# Altium PCB Master.PcbDoc (part 2 of 2)
Units mm, origin at the board's own origin, x right, y up, seen from the top; angles counter-clockwise.
Board outline 120 x 100 mm, 2 copper layers (Top Layer, Bottom Layer); 129 components, 81 nets, 454 pads, 135 vias.
Unrouted connection lines stored in the file: 6.
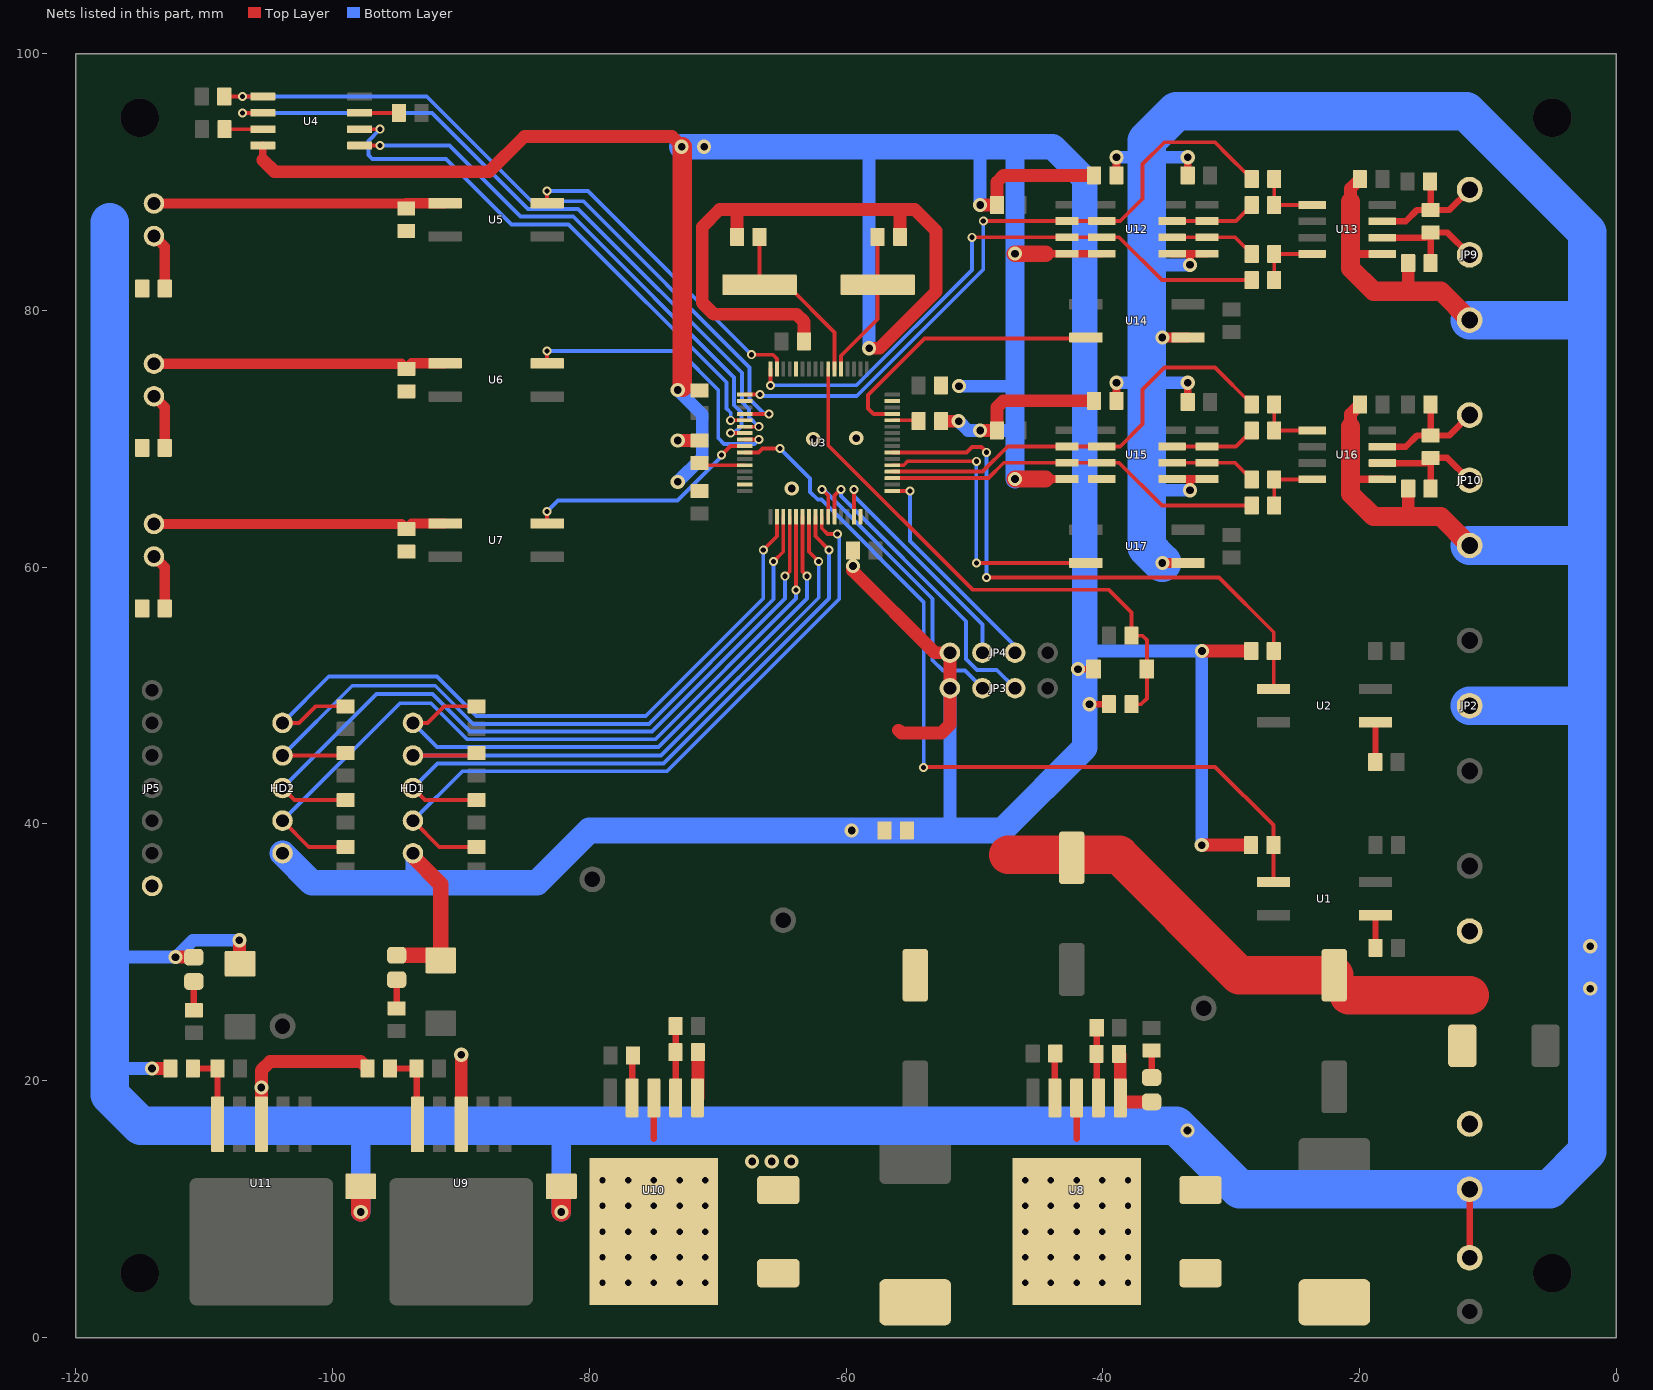
[diagram p2: the nets of this part, all layers, seen from the top]

## Via types
v1: diameter 1.1, hole 0.6, Top Layer to Bottom Layer, 82 vias
v2: diameter 0.7, hole 0.4, Top Layer to Bottom Layer, tented both sides, 26 vias
v3: diameter 0.7, hole 0.4, Top Layer to Bottom Layer, 14 vias
v4: diameter 1.1, hole 0.6, Top Layer to Bottom Layer, tented both sides, 13 vias

## Nets (pads, with @x,y where several pads share a name; then routed paths per layer and width w, separated by ;. In a path a pad name is that pad's centre, name@x,y a point inside that pad or via, vN(x,y) a via of type N, cw(c..) or ccw(c..) an arc to the next point about the centre after c; other vN are vias at no path point) (continued)
GND_MCU: C1.1 C2.1 C3.1 C4.1 C5.1 C6.1 C7.1 C8.2 C14.2 C18.2 C21.2 D5.2 HD1.5 HD2.5 JP3.4 JP4.1 R7.1 R14.1 R16.2 R17.1 R27.1 R47.2 R56.2 SW1.2 U3.12 U3.18 U3.31 U3.47 U3.63 U4.4 U12.4 U15.4 | length 434.7
  Top Layer w0.3: U3.18@-68.324,72.941 U3.18@-67.884,72.941
  Top Layer w0.5: v1(-41.937,52.063) SW1.2@-40.717,52.063 ; v1@-41.25,49.55 v1(-41.03,49.33) C6.1@-39.517,49.33
  Top Layer w0.6: -105.425,91.725 U4.4@-105.425,92.845 ; -44.45,66.866 U15.4@-42.788,66.866 ; -44.45,84.424 U12.4@-42.788,84.424 U12.4@-40.07,84.424
  Top Layer w1: -105.425,91.725 -104.5,90.8 -87.8,90.8 -85.05,93.55 -73.55,93.55 v1@-72.75,92.75 ; v4(-73.1,69.865) R16.2@-71.405,69.865 ; C8.2@-68.484,85.725 -68.484,87.784 -68.55,87.85 ; C2.1@-63.26,77.597 -63.26,79.11 -63.85,79.7 -70.3,79.7 -71.2,80.6 -71.2,86.5 -69.85,87.85 -68.55,87.85 ; v4(-59.45,60.1) -59.5,60.05 -59.5,59.75 -53.09,53.34 JP4.1@-51.912,53.34 JP3.4@-51.912,50.578 ; v4(-58.2,77.05) -57.4,77.05 -53,81.45 -53,86.2 -54.65,87.85 -55.95,87.85 ; -55.9,47.3 -55.7,47.1 -52.55,47.1 -51.912,47.738 JP3.4@-51.912,50.578 ; C7.1@-55.784,85.725 -55.784,87.684 -55.95,87.85 ; R17.1@-52.592,71.374 v4(-51.224,71.374) ; v1(-49.555,70.651) C21.2@-48.246,70.651 -48.246,72.454 -47.738,72.962 R56.2@-40.676,72.962 ; v1(-49.555,88.209) C18.2@-48.246,88.209 -48.246,90.012 -47.738,90.52 R47.2@-40.676,90.52 ; v1(-32.296,38.354) R7.1@-28.458,38.354 ; v1(-32.272,53.467) R14.1@-28.434,53.467 ; -68.55,87.85 -55.95,87.85
  Top Layer w1.2: D5.2@-94.996,29.779 -91.887,29.779 C14.2@-91.567,30.099 ; HD1.5@-93.726,37.719 -93.726,37.465 -91.567,35.306 C14.2@-91.567,30.099 ; C14.2@-91.567,29.374 C14.2@-91.567,30.099
  Top Layer w1.3: v1(-46.84,66.866) -44.45,66.866 ; v1(-46.84,84.424) -44.45,84.424
  Top Layer w1.5: v4@-72.75,74 v1@-72.75,92.75
  Bottom Layer w1: v4(-73.1,66.65) -71.2,68.55 -71.2,70 ; v4(-73.1,69.865) -71.335,69.865 -71.2,70 ; v4(-73.1,73.8) -71.2,71.9 -71.2,70 ; v4(-58.2,77.05) -58.2,92.4 -57.85,92.75 ; -52,39.497 -51.912,39.585 JP3.4@-51.912,50.578 ; v4(-51.224,71.374) -50.501,70.651 v1(-49.555,70.651) -47.189,70.651 -46.84,71 ; v4(-51.2,74.1) -47.24,74.1 -46.84,74.5 ; -49.7,92.75 -49.555,92.605 v1(-49.555,88.209) ; -41.4,53.45 -41.383,53.467 v1(-32.272,53.467) -32.296,53.443 v1(-32.296,38.354)
  Bottom Layer w1.2: HD1.5@-93.726,37.719 -93.726,35.56 -93.599,35.433
  Bottom Layer w1.5: -46.85,92.75 -46.84,92.74 v1(-46.84,84.424) -46.84,74.5 -46.84,71 v1(-46.84,66.866)
  Bottom Layer w2: HD2.5@-103.886,37.719 -101.6,35.433 -93.599,35.433 -84.067,35.433 -80.003,39.497 -52,39.497 -47.853,39.497 -41.4,45.95 -41.4,53.45 -41.4,90.25 -43.9,92.75 -46.85,92.75 -49.7,92.75 -57.85,92.75 v1(-72.8,92.75)
  other v1: -59.563,39.497 -71.05,92.75
  other v4: -64.225,66.125 -62.55,70 -59.2,70.05
GND_P: C10.2 C11.2 C13.2 C15.2 C16.2 C17.2 C19.2 C20.2 C22.2 C23.2 D2.1 D3.2 D4.1 D6.2 HD3.2 JP1.2 JP2.2 JP5.7 JP9.3 JP10.3 R21.1 R22.1 R23.1 R24.1 R25.1 R26.1 R27.2 R30.1 R34.1 R35.1 R38.1 R45.1 R47.1 R54.1 R56.1 TP3.1 U8.1 U9.3 U10.1 U11.3 U12.5 U13.5 U14.3 U15.5 U16.5 U17.3 | length 553.3
  Top Layer w0.5: TP3.1@-11.43,6.223 HD3.2@-11.43,11.557
  Top Layer w0.6: R56.1@-38.926,72.962 v1(-38.926,74.371) ; R47.1@-38.926,90.52 v1(-38.926,91.929) ; U15.5@-34.605,66.866 -33.2,66.866 ; U12.5@-34.605,84.424 -33.2,84.424 ; C22.2@-33.387,72.962 v1(-33.387,74.371) ; C19.2@-33.387,90.52 v1(-33.387,91.929) ; v1(-33.2,65.992) -33.2,66.866 ; v1(-33.2,83.55) -33.2,84.424 ; U15.5@-31.888,66.866 -33.2,66.866 ; U12.5@-31.888,84.424 -33.2,84.424 ; -20.701,66.866 -20.676,66.841 U16.5@-18.222,66.841 ; -20.701,84.424 -20.676,84.399 U13.5@-18.222,84.399
  Top Layer w0.8: v1(-35.363,60.332) U17.3@-33.363,60.332 ; v1(-35.363,77.89) U14.3@-33.363,77.89
  Top Layer w1: v1(-114.045,20.955) R38.1@-112.621,20.955 ; v1(-112.22,29.633) D6.2@-110.796,29.633 ; v1(-107.25,30.95) -107.25,29.182 C16.2@-107.188,29.12 ; U11.3@-105.537,16.61 v1(-105.537,19.48) -105.537,20.813 -104.85,21.5 -97.799,21.5 R35.1@-97.254,20.955 ; U9.3@-89.97,16.61 v1(-89.97,22.03) ; U10.1@-71.53,18.67 R34.1@-71.53,22 ; R30.1@-38.735,22.098 -38.637,22 U8.1@-38.637,18.67 -38.321,18.354 D3.2@-36.195,18.354 ; -20.701,70.93 -20.701,71.943 C23.2@-19.972,72.671 ; -20.701,88.488 -20.701,89.501 C20.2@-19.972,90.229 ; -16.304,63.945 -16.213,64.036 R54.1@-16.213,66.121 ; -16.304,81.503 -16.213,81.594 R45.1@-16.213,83.679
  Top Layer w1.5: v1(-97.79,9.779) C17.2@-97.79,11.774 ; v1(-82.169,9.779) C15.2@-82.169,11.774 ; -20.701,70.93 -20.701,66.866 -20.701,65.723 -18.923,63.945 -16.304,63.945 -13.684,63.945 JP10.3@-11.43,61.691 ; -20.701,88.488 -20.701,84.424 -20.701,83.281 -18.923,81.503 -16.304,81.503 -13.684,81.503 JP9.3@-11.43,79.249
  Top Layer w3: -47.371,37.592 -38.735,37.592 -29.369,28.226 C11.2@-21.971,28.226 ; -20.828,26.67 -11.43,26.67
  Bottom Layer w1: -117.348,21.1 -117.203,20.955 v1(-114.045,20.955) ; -117.348,29.5 -117.215,29.633 v1(-112.22,29.633) -112.167,29.633 -110.85,30.95 v1(-107.25,30.95) ; -105.537,16.51 v1(-105.537,19.48) ; v1(-38.926,74.371) -36.619,74.371 ; v1(-38.926,91.929) -36.619,91.929 ; -36.619,89.111 -36.576,89.154 -36.466,89.264 ; -36.576,66.612 -35.956,65.992 v1(-33.2,65.992) ; -36.576,71.553 -35.713,71.553 -35.56,71.706 -36.4,71.706 -36.576,71.882 ; -36.576,84.328 -35.798,83.55 v1(-33.2,83.55) ; -36.466,74.371 v1(-33.387,74.371) ; -36.466,91.929 v1(-33.387,91.929)
  Bottom Layer w1.5: v1(-97.79,9.779) -97.79,16.002 -97.282,16.51 ; v1(-82.169,9.779) -82.169,16.51
  Bottom Layer w3: -117.348,86.868 -117.348,77.819 -117.348,65.341 -117.348,29.5 -117.348,21.1 -117.348,18.923 -114.935,16.51 -105.537,16.51 -97.282,16.51 -82.169,16.51 -34.29,16.51 -29.337,11.557 HD3.2@-11.43,11.557 -5.207,11.557 -2.254,14.51 -2.254,49.276 ; -36.576,71.553 -36.576,66.612 -36.576,61.545 v1(-35.363,60.332) ; -36.576,71.706 -36.576,71.882 -36.576,84.328 -36.576,89.154 -36.576,93.218 -34.29,95.504 -11.684,95.504 -2.254,86.074 -2.254,61.849 ; JP2.2@-11.43,49.213 -2.317,49.213 -2.254,49.276 ; JP10.3@-11.43,61.691 -2.412,61.691 -2.254,61.849 ; JP9.3@-11.43,79.249 -2.601,79.249 -2.3,79.55 ; -2.254,49.276 -2.254,61.849
  other v1: -67.31,13.716 -65.786,13.716 -64.262,13.716 -33.401,16.129 -2.032,27.178 -2.032,30.48
KP11: HD1.1 R3.1 U3.38 | length 48.3
  Top Layer w0.3: HD1.1@-93.726,47.879 -92.583,47.879 -91.297,49.165 R3.1@-88.773,49.165 ; U3.38@-63.384,63.941 -63.384,59.657 v2(-63.027,59.3)
  Bottom Layer w0.3: HD1.1@-93.726,47.879 -91.847,46 -74.601,46 -63.027,57.574 v2(-63.027,59.3)
KP12: HD1.2 R4.1 U3.39 | length 48.3
  Top Layer w0.3: HD1.2@-93.726,45.339 -88.949,45.339 R4.1@-88.773,45.515 ; U3.39@-62.884,63.941 -62.884,61.207 v2(-62.127,60.45)
  Bottom Layer w0.3: HD1.2@-93.726,45.339 -74.414,45.339 -62.127,57.626 v2(-62.127,60.45)
KP13: HD1.3 R5.1 U3.40 | length 50.7
  Top Layer w0.3: HD1.3@-93.726,42.799 -92.792,41.865 R5.1@-88.773,41.865 ; U3.40@-62.384,63.941 -62.384,62.407 v2(-61.327,61.35)
  Bottom Layer w0.3: HD1.3@-93.726,42.799 -91.821,44.704 -74.2,44.704 -61.327,57.577 v2(-61.327,61.35)
KP14: HD1.4 R6.1 U3.41 | length 53.6
  Top Layer w0.3: HD1.4@-93.726,40.259 -91.682,38.215 R6.1@-88.773,38.215 ; U3.41@-61.884,63.941 -61.884,63.034 -61.45,62.6 v2(-60.677,62.6)
  Bottom Layer w0.3: HD1.4@-93.726,40.259 -89.881,44.104 -73.951,44.104 -60.527,57.528 -60.527,62.45 v2(-60.677,62.6)
KP21: HD2.1 R8.1 U3.34 | length 56.3
  Top Layer w0.3: HD2.1@-103.886,47.879 -102.616,47.879 -101.33,49.165 R8.1@-98.97,49.165 ; v2(-66.441,61.35) -65.384,62.407 U3.34@-65.384,63.941
  Bottom Layer w0.3: HD2.1@-103.886,47.879 -100.284,51.481 -91.861,51.481 -88.78,48.4 -75.595,48.4 -66.441,57.554 v2(-66.441,61.35)
KP22: HD2.2 R9.1 U3.35 | length 57.5
  Top Layer w0.3: HD2.2@-103.886,45.339 -99.146,45.339 R9.1@-98.97,45.515 ; v2(-65.641,60.45) -64.884,61.207 U3.35@-64.884,63.941
  Bottom Layer w0.3: HD2.2@-103.886,45.339 -98.46,50.765 -91.994,50.765 -89.029,47.8 -75.347,47.8 -65.641,57.506 v2(-65.641,60.45)
KP23: HD2.3 R10.1 U3.36 | length 59.5
  Top Layer w0.3: HD2.3@-103.886,42.799 -102.952,41.865 R10.1@-98.97,41.865 ; v2(-64.741,59.3) -64.384,59.657 U3.36@-64.384,63.941
  Bottom Layer w0.3: HD2.3@-103.886,42.799 -96.555,50.13 -92.207,50.13 -89.277,47.2 -75.098,47.2 -64.741,57.557 v2(-64.741,59.3)
KP24: HD2.4 R11.1 U3.37 | length 61.6
  Top Layer w0.3: HD2.4@-103.886,40.259 -101.842,38.215 R11.1@-98.97,38.215 ; v2(-63.884,58.234) U3.37@-63.884,63.941
  Bottom Layer w0.3: HD2.4@-103.886,40.259 -94.742,49.403 -92.329,49.403 -89.526,46.6 -74.85,46.6 -63.884,57.566 v2(-63.884,58.234)
LED_L0: JP6.1 R22.2 U5.3 | length 23.1
  Top Layer w0.8: JP6.1@-113.9,88.329 R22.2@-94.25,88.329 ; R22.2@-94.25,87.941 R22.2@-94.25,88.329 ; U5.3@-91.224,88.354 -94.25,88.354 R22.2@-94.25,88.329
LED_LALL: JP7.1 R24.2 U6.3 | length 23
  Top Layer w0.8: JP7.1@-113.9,75.851 -94.643,75.851 R24.2@-94.24,75.448 -93.812,75.876 U6.3@-91.224,75.876
LED_LN: JP8.1 R26.2 U7.3 | length 23
  Top Layer w0.8: JP8.1@-113.9,63.373 -94.643,63.373 R26.2@-94.24,62.97 -93.812,63.398 U7.3@-91.224,63.398
MCU_485_ctrl2: U3.61 U14.2 | length 21.9
  Top Layer w0.3: U3.61@-56.384,71.941 -57.844,71.941 -58.274,72.371 -58.274,73.425 -53.879,77.82 -41.383,77.82 U14.2@-41.313,77.89
MCU_485_ctrl4: U3.53 U17.2 | length 23.2
  Top Layer w0.3: U3.53@-56.384,67.941 -55.506,67.941 -55.197,68.25 v3(-49.85,68.25) ; v3(-49.85,60.332) U17.2@-41.313,60.332 U17.2@-41.383,60.262
  Bottom Layer w0.3: v3(-49.85,60.332) v3(-49.85,68.25)
MCU_485_RX2: R39.1 U3.17 U12.2 | length 55.9
  Top Layer w0.3: U3.17@-67.884,73.441 v2(-66.71,73.441) ; v3(-49.307,86.964) U12.2@-42.788,86.964 U12.2@-40.07,86.964 -38.636,86.964 -36.9,88.7 -36.9,91.4 -35.2,93.1 -31.25,93.1 -28.401,90.251 R39.1@-28.401,90.234 -30.667,92.5
  Bottom Layer w0.3: v2(-66.71,73.441) -66.608,73.339 -59.162,73.339 -49.307,83.194 v3(-49.307,86.964)
MCU_485_RX4: R48.1 U3.52 U15.2 | length 34.1
  Top Layer w0.3: U3.52@-56.384,67.441 -49.365,67.441 -47.4,69.406 U15.2@-42.788,69.406 -38.636,69.406 -36.9,71.142 -36.9,73.842 -35.2,75.542 -31.25,75.542 R48.1@-28.401,72.693
MCU_485_TX2: R40.1 U3.16 U12.3 | length 46.4
  Top Layer w0.3: v2(-65.884,74.139) U3.16@-65.884,75.441 ; v3(-50.196,85.694) U12.3@-42.788,85.694 -38.735,85.694 -35.401,82.36 R40.1@-28.401,82.36
  Bottom Layer w0.3: v2(-65.884,74.139) -65.848,74.175 -59.175,74.175 -50.196,83.154 v3(-50.196,85.694)
MCU_485_TX4: R49.1 U3.51 U15.3 | length 29.9
  Top Layer w0.3: U3.51@-56.384,66.941 -48.909,66.941 -47.714,68.136 U15.3@-42.788,68.136 -38.735,68.136 -35.401,64.802 R49.1@-28.401,64.802
MCU_BT_SEL: R7.2 U1.3 U3.26 | length 66.1
  Top Layer w0.3: U3.26@-67.884,68.941 -66.809,68.941 -66.5,69.25 v2(-65.15,69.25) ; v3@-53.95,44.45 -31.25,44.45 -26.708,39.908 R7.2@-26.708,38.354 U1.3@-26.708,35.49
  Bottom Layer w0.3: v2(-65.15,69.25) -62.8,66.9 -62.8,65.863 -62.199,65.262 -61.917,65.262 -53.95,57.295 v3(-53.95,44.4)
MCU_Encoder: R14.2 U2.3 U3.55 | length 46
  Top Layer w0.3: U3.55@-56.384,68.941 -54.5,68.941 -50.609,68.941 -50.2,69.35 -49.45,69.35 v3(-49.05,68.95) ; v3(-49.05,59.2) -30.95,59.2 -26.684,54.934 R14.2@-26.684,53.467 -26.684,50.532 U2.3@-26.708,50.508
  Bottom Layer w0.3: v3(-49.05,59.2) v3(-49.05,68.95)
MCU_LED_L0: U3.15 U5.2 | length 25
  Top Layer w0.3: U5.2@-83.274,88.354 v3(-83.274,89.305) ; v2(-67.35,76.55) -65.7,76.55 -65.384,76.234 U3.15@-65.384,75.441
  Bottom Layer w0.3: v3(-83.274,89.305) -80.105,89.305 v2(-67.35,76.55)
MCU_LED_LALL: U3.24 U6.2 | length 23.9
  Top Layer w0.3: U6.2@-83.274,75.876 v3(-83.274,76.827) ; U3.24@-67.884,69.941 v2(-66.791,69.941)
  Bottom Layer w0.3: v3(-83.274,76.827) -72.977,76.827 -69.95,73.8 -69.95,70.05 -69.5,69.6 -67.132,69.6 v2(-66.791,69.941)
MCU_LED_LN: U3.25 U7.2 | length 18.5
  Top Layer w0.3: U7.2@-83.274,63.398 v3(-83.274,64.349) ; v2(-69.7,68.75) -69.009,69.441 U3.25@-67.884,69.441
  Bottom Layer w0.3: v3(-83.274,64.349) -82.423,65.2 -73.136,65.2 -69.7,68.636 v2(-69.7,68.75)
NetC9_2: C9.2 U8.4 | length 3.5
  Top Layer w0.5: U8.4@-43.737,18.67 -43.737,22.083 C9.2@-43.702,22.118
NetC12_2: C12.2 U10.4 | length 3.3
  Top Layer w0.5: U10.4@-76.662,18.67 -76.662,21.904 C12.2@-76.595,21.971
NetD1_1: D1.1 HD3.1
NetD2_2: D2.2 L1.1 U8.3 | length 3.2
  Top Layer w0.5: -42.037,15.494 U8.3@-42.037,18.67
NetD3_1: D3.1 R28.1 | length 2.1
  Top Layer w0.5: D3.1@-36.195,20.254 R28.1@-36.195,22.366
NetD4_2: D4.2 L2.1 U10.3 | length 3.2
  Top Layer w0.5: -74.962,15.494 U10.3@-74.962,18.67
NetD5_1: D5.1 R33.1 | length 2.2
  Top Layer w0.5: R33.1@-94.996,25.64 D5.1@-94.996,27.879
NetD6_1: D6.1 R37.1 | length 2.2
  Top Layer w0.5: R37.1@-110.796,25.494 D6.1@-110.796,27.733
NetJP6_2: JP6.2 R21.2 | length 4.4
  Top Layer w0.8: JP6.2@-113.9,85.789 -113.063,84.952 R21.2@-113.063,81.7
NetJP7_2: JP7.2 R23.2 | length 4.4
  Top Layer w0.8: JP7.2@-113.9,73.311 -113.063,72.474 R23.2@-113.063,69.222
NetJP8_2: JP8.2 R25.2 | length 4.4
  Top Layer w0.8: JP8.2@-113.9,60.833 -113.063,59.996 R25.2@-113.063,56.744
NetJP9_1: JP9.1 R41.1 R43.2 U13.7 | length 10.2
  Top Layer w0.5: U13.7@-18.222,86.939 -16.408,86.939 -15.528,87.819 R43.2@-14.463,87.819 ; R41.1@-14.478,90.224 -14.463,90.209 R43.2@-14.463,87.819 ; JP9.1@-11.43,89.409 -13.02,87.819 R43.2@-14.463,87.819
NetJP9_2: JP9.2 R43.1 R45.2 U13.6 | length 10.1
  Top Layer w0.5: U13.6@-18.222,85.669 -14.863,85.669 R43.1@-14.463,86.069 ; R45.2@-14.463,83.679 R43.1@-14.463,86.069 ; JP9.2@-11.43,84.329 -13.17,86.069 R43.1@-14.463,86.069
NetJP10_1: JP10.1 R50.1 R52.2 U16.7 | length 10.2
  Top Layer w0.5: U16.7@-18.222,69.381 -16.408,69.381 -15.528,70.261 R52.2@-14.463,70.261 ; R50.1@-14.478,72.666 -14.463,72.651 R52.2@-14.463,70.261 ; JP10.1@-11.43,71.851 -13.02,70.261 R52.2@-14.463,70.261
NetJP10_2: JP10.2 R52.1 R54.2 U16.6 | length 10.1
  Top Layer w0.5: U16.6@-18.222,68.111 -14.863,68.111 R52.1@-14.463,68.511 ; R54.2@-14.463,66.121 R52.1@-14.463,68.511 ; JP10.2@-11.43,66.771 -13.17,68.511 R52.1@-14.463,68.511
NetR2_1: R2.1 U1.1 | length 2.5
  Top Layer w0.5: R2.1@-18.758,30.353 U1.1@-18.758,32.9
NetR13_1: R13.1 U2.1 | length 3.1
  Top Layer w0.5: R13.1@-18.782,44.831 -18.758,44.855 U2.1@-18.758,47.918
NetR16_1: R16.1 U3.28 | length 3.6
  Top Layer w0.3: R16.1@-71.405,68.115 -71.231,67.941 U3.28@-67.884,67.941
NetR17_2: R17.2 U3.60 | length 2.1
  Top Layer w0.3: U3.60@-56.384,71.441 -54.409,71.441 R17.2@-54.342,71.374
NetR19_2: R19.2 U4.7 | length 3.1
  Top Layer w0.3: U4.7@-97.875,95.385 R19.2@-94.825,95.385
NetR20_2: R20.2 U4.3 | length 3
  Top Layer w0.3: R20.2@-108.41,94.115 U4.3@-105.425,94.115
NetR29_1: R29.1 R30.2 U8.2 | length 5.5
  Top Layer w0.5: R29.1@-40.47,24.13 -40.485,24.115 R30.2@-40.485,22.098 -40.485,18.818 U8.2@-40.337,18.67
NetR31_1: R31.1 R34.2 U10.2 | length 5.6
  Top Layer w0.5: R31.1@-73.265,24.257 -73.265,22.239 R34.2@-73.279,22.225 -73.262,22.208 U10.2@-73.262,18.67
NetR32_1: R32.1 R35.2 U9.5 | length 6.4
  Top Layer w0.5: R35.2@-95.504,20.955 R32.1@-93.444,20.955 -93.444,16.684 U9.5@-93.369,16.61
NetR36_1: R36.1 R38.2 U11.5 | length 6.3
  Top Layer w0.5: R38.2@-110.871,20.955 R36.1@-108.952,20.955 -108.952,16.625 U11.5@-108.937,16.61
NetR39_2: R39.2 R42.2 U13.1 | length 5
  Top Layer w0.3: R39.2@-26.651,90.234 R42.2@-26.651,88.202 -23.694,88.202 U13.1@-23.687,88.209
NetR40_2: R40.2 R44.2 U13.4 | length 5
  Top Layer w0.3: R40.2@-26.651,82.36 R44.2@-26.651,84.392 -23.694,84.392 U13.4@-23.687,84.385
NetR42_1: R42.1 U12.7 | length 6.7
  Top Layer w0.3: U12.7@-34.605,86.964 U12.7@-31.888,86.964 -29.639,86.964 R42.1@-28.401,88.202
NetR44_1: R44.1 U12.6 | length 6.7
  Top Layer w0.3: U12.6@-34.518,85.694 U12.6@-31.8,85.694 ; U12.6@-31.888,85.694 -29.703,85.694 R44.1@-28.401,84.392
NetR48_2: R48.2 R51.2 U16.1 | length 5
  Top Layer w0.3: R48.2@-26.651,72.676 R51.2@-26.651,70.644 -23.694,70.644 U16.1@-23.687,70.651
NetR49_2: R49.2 R53.2 U16.4 | length 5
  Top Layer w0.3: R49.2@-26.651,64.802 R53.2@-26.651,66.834 -23.694,66.834 U16.4@-23.687,66.827
NetR51_1: R51.1 U15.7 | length 6.7
  Top Layer w0.3: U15.7@-34.605,69.406 U15.7@-31.888,69.406 -29.639,69.406 R51.1@-28.401,70.644
NetR53_1: R53.1 U15.6 | length 6.7
  Top Layer w0.3: U15.6@-34.517,68.136 U15.6@-31.8,68.136 ; U15.6@-31.888,68.136 -29.703,68.136 R53.1@-28.401,66.834
OSC_IN: C7.2 U3.5 Y1.2 | length 11.5
  Top Layer w0.3: U3.5@-60.384,75.441 -60.384,76.466 -57.534,79.316 Y1.2@-57.534,82 C7.2@-57.534,85.725
OSC_OUT: C8.1 U3.6 Y1.1 | length 14
  Top Layer w0.3: C8.1@-66.734,85.725 Y1.1@-66.734,82 -64.6,82 -60.884,78.284 U3.6@-60.884,75.441
RESET: C6.2 R15.1 SW1.1 U3.7 | length 44
  Top Layer w0.3: U3.7@-61.384,75.441 -61.384,69.484 -50.15,58.25 -39.55,58.25 -37.775,56.475 R15.1@-37.775,54.664 -36.914,54.664 -36.567,54.317 SW1.1@-36.567,52.063 -36.567,49.783 -37.02,49.33 C6.2@-37.767,49.33
SPI_CS: R18.1 U3.20 U4.1 | length 57.6
  Top Layer w0.3: R18.1@-108.425,96.655 v3(-107.015,96.655) U4.1@-105.425,96.655 ; U3.20@-67.884,71.941 v2(-66,71.941)
  Bottom Layer w0.3: v3(-107.015,96.655) -92.656,96.655 -84.506,88.505 -80.455,88.505 -67.51,75.56 -67.51,73.11 -66.341,71.941 v2(-66,71.941)
SPI_MISO: U3.22 U4.2 | length 54.7
  Top Layer w0.3: v3(-107.015,95.385) U4.2@-105.425,95.385 ; U3.22@-67.884,70.941 v2(-66.791,70.941)
  Bottom Layer w0.3: v3(-107.015,95.385) -92.235,95.385 -84.755,87.905 -80.874,87.905 -68.11,75.141 -68.11,72.861 -67.55,72.301 -67.55,71.7 v2(-66.791,70.941)
SPI_MOSI: U3.23 U4.5 | length 42.8
  Top Layer w0.3: U4.5@-97.875,92.845 v3(-96.285,92.845) ; v2(-68.977,70.441) U3.23@-67.884,70.441
  Bottom Layer w0.3: v3(-96.285,92.845) -90.895,92.845 -85.355,87.305 -81.245,87.305 -68.71,74.77 -68.71,72.613 -68.15,72.053 -68.15,71 -68.709,70.441 v2(-68.977,70.441)
SPI_SCK: U3.21 U4.6 | length 43.4
  Top Layer w0.3: U4.6@-97.875,94.115 v3(-96.285,94.115) ; v2(-68.977,71.441) U3.21@-67.884,71.441
  Bottom Layer w0.3: v3(-96.285,94.115) -97.2,93.2 -97.2,92.1 -96.9,91.8 -91.15,91.8 -86.055,86.705 -81.605,86.705 -69.31,74.41 -69.31,72.364 -68.977,72.031 v2(-68.977,71.441)
SWCLK: JP4.3 U3.49 | length 17.4
  Top Layer w0.3: U3.49@-56.384,65.941 v2(-55.009,65.941)
  Bottom Layer w0.3: v2(-55.009,65.941) -55.009,62.027 -46.832,53.85 JP4.3@-46.832,53.34
SWDIO: JP4.2 U3.46 | length 19
  Top Layer w0.3: U3.46@-59.384,63.941 v2(-59.384,66.062)
  Bottom Layer w0.3: v2(-59.384,66.062) -59.384,65.554 -49.372,55.542 JP4.2@-49.372,53.34
UART1_RX: JP3.2 U3.43 | length 24.2
  Top Layer w0.3: U3.43@-60.884,64.108 -60.884,65.578 v2(-60.4,66.062)
  Bottom Layer w0.3: v2(-60.4,66.062) -60.4,65.547 -50.642,55.789 -50.642,52.842 -49.799,52 -48.254,52 JP3.2@-46.832,50.578
UART1_TX: JP3.3 U3.42 | length 24.2
  Top Layer w0.3: v2(-61.868,66.062) -61.384,65.578 U3.42@-61.384,63.941 U3.42@-61.384,63.75
  Bottom Layer w0.3: v2(-61.868,66.062) -61.763,66.062 -53.25,57.549 -53.25,52.75 -52.45,51.95 -50.744,51.95 JP3.3@-49.372,50.578
pads on no net: hole1.1 hole2.1 hole3.1 hole4.1 U3.1 U3.2 U3.3 U3.4 U3.8 U3.9 U3.10 U3.11 U3.14 U3.44 U3.45 U3.50 U3.54 U3.56 U3.57 U3.58 U3.59 U3.62 U9.TAB U11.TAB

## Polygon pours and split planes (outlines as drawn)
GND_P on Top Layer "Top Layer-GND_P" (solid, remove dead copper, pour order 4): -120.2,100.1 -120.2,0 0,0 0,100.4 -0.2,100.4
GND_MCU on Top Layer "Top Layer-GND_MCU" (solid, remove dead copper, pour order 0): -76.3,93.95 -40.5,93.95 -39.55,93 -39.55,60.45 -35.2,56.1 -27.55,56.1 -24.85,53.4 -24.85,32.35 -27.1,30.1 -86.4,30.1 -89.9,26.6 -97.276,26.6 -107.55,36.874 -107.55,47.55 -104.6,50.5 -82.8,50.5 -77.8,55.5 -77.8,92.572
GND_P on Bottom Layer "Bottom Layer-GND_P" (solid, remove dead copper, pour order 6): -120.4,100.15 -120.4,-0.15 -0.25,-0.15 -0.25,100.15
GND_MCU on Bottom Layer "Bottom Layer-GND_MCU" (solid, remove dead copper, pour order 2): -76.3,93.95 -40.5,93.95 -39.55,93 -39.55,60.45 -35.2,56.1 -27.55,56.1 -24.85,53.4 -24.85,32.35 -27.1,30.1 -86.4,30.1 -89.9,26.6 -97.276,26.6 -107.55,36.874 -107.55,47.55 -104.6,50.5 -82.8,50.5 -77.8,55.5 -77.8,92.572

## Keep-outs
Keep-Out Layer:
  the board outline again, w1

## Other copper
Top Layer:
  region net GND_MCU: -73.8,94.05 -73.8,91.75 -70.1,91.75 -70.1,94.05
  region net 3V3_MCU: -81.3,92.15 -81.3,89.3 -78.1,89.3 -78.1,92.15
  region net GND_MCU: -106.35,93.05 -106.35,90.3 -104.45,90.3 -104.45,93.05
  region net 3V3_MCU: -98.85,96.55 -98.85,99.1 -96.9,99.1 -96.9,96.55
  region net GND_MCU: -58.75,64.531 -58.75,62.1 -58.9,61.95 -58.9,59.55 -60,59.55 -60,62.2 -59.1,63.1 -59.1,64.55
  region net 3V3_MCU: -58.534,64.5 -58.534,63.334 -58.25,63.05 -58.25,60.65 -57.15,60.65 -57.15,64.4 -57.35,64.6 -58.45,64.6
  region net 3V3_MCU: -30.15,48.55 -30.15,45.45 -28.45,45.45 -28.45,48.55
  region net 3V3_MCU: -68.519,66.081 -69.85,64.75 -73.45,64.75 -73.55,64.65 -73.55,63.65 -73.4,63.5 -69.584,63.5 -67.284,65.8 -67.3,65.816 -67.3,66.081
  region net GND_MCU: -67.5,66.6 -72.1,66.6 -72.7,67.2 -73.25,67.2 -73.6,66.85 -73.6,65.4 -70.05,65.4 -69.169,66.281 -67.5,66.281
  region net 3V3_MCU: -67.3,72.301 -69.349,72.301 -70.618,71.032 -73.65,71.032 -73.65,72.601 -69.381,72.601 -67.35,72.601 -67.331,72.582 -67.284,72.582
  region net GND_MCU: -67.3,73.081 -68.781,73.081 -70.05,74.35 -73.65,74.35 -73.65,73.25 -70.05,73.25 -69.581,72.781 -67.35,72.781 -67.331,72.8 -67.284,72.8
  region net GND_MCU: -64.034,74.9 -64.034,76.688 -63.75,76.972 -63.75,78.25 -63.65,78.35 -62.85,78.35 -62.75,78.25 -62.75,77.15 -63.734,76.166 -63.734,74.9
  region net 3V3_MCU: -64.534,74.85 -64.534,76.084 -65.5,77.05 -65.5,78.25 -65.45,78.3 -64.5,78.3 -64.45,78.25 -64.45,76.85 -64.25,76.65 -64.25,74.841
  region net 3V3_MCU: -56.95,73.571 -55.621,74.9 -53.8,74.9 -53.8,73.35 -53.85,73.3 -56.95,73.3
  region net GND_MCU: -56.95,73.1 -53.5,73.1 -53.1,73.5 -53.1,74.8 -53.05,74.8 -53,74.85 -50.65,74.85 -50.65,72.8 -56.95,72.8
  region net 12V: -7.112,24.384 -4.572,24.384 -4.318,24.13 -4.318,15.621 -4.572,15.367 -7.112,15.367 -7.366,15.621 -7.366,24.13
  region net NetD1_1: -13.208,24.384 -11.049,24.384 -10.922,24.257 -10.922,21.209 -9.525,19.812 -9.525,15.621 -9.779,15.367 -12.827,15.367 -13.208,15.748
  region net GND_P: -66.167,18.923 -63.627,16.383 -63.627,10.414 -66.929,10.414 -66.929,12.573 -72.009,17.653 -72.009,18.923
  region net 12V: -79.629,17.145 -80.137,17.653 -80.137,22.098 -79.375,22.86 -77.851,22.86 -77.724,22.733 -77.724,17.272 -77.851,17.145
  region net NetD4_2: -75.851,16.51 -74.073,16.51 -74.073,11.43 -75.851,11.43
  region net NetD4_2: -51.816,4.445 -52.07,4.699 -57.563,4.699 -59.722,6.858 -80.042,6.858 -80.042,0.889 -52.07,0.889 -51.816,1.143
  region net NetD2_2: -19.177,4.318 -19.558,4.699 -24.638,4.699 -26.797,6.858 -47.117,6.858 -47.117,0.889 -19.431,0.889 -19.177,1.143
  region net NetD2_2: -42.926,16.51 -41.148,16.51 -41.148,11.43 -42.926,11.43
  region net GND_P: -32.893,18.923 -30.734,16.764 -30.734,10.414 -34.036,10.414 -34.036,12.573 -39.116,17.653 -39.116,18.923
  region net GND_P: -20.955,30.226 -20.066,29.337 -20.066,25.273 -20.193,25.146 -22.606,25.146 -22.971,25.511 -22.971,30.226
  region net GND_MCU: -56.515,40.259 -56.515,36.703 -61.595,36.703 -61.595,40.259
  region net GND_P: -55.88,40.132 -55.753,40.259 -41.529,40.259 -41.275,40.005 -41.275,35.306 -41.402,35.179 -47.752,35.179 -49.911,33.02 -49.911,26.035 -55.499,26.035 -55.88,26.416
  region net 12V: -41.529,30.734 -47.879,30.734 -48.133,30.48 -48.133,17.399 -47.879,17.145 -45.037,17.145 -44.958,17.224 -44.958,23.114 -41.402,26.67 -41.402,30.607
  region net GND_P: -12.573,28.162 -1.016,28.162 -0.762,27.908 -0.762,25.147 -12.7,25.146 -12.7,28.035
  region net GND_P: -12.573,32.766 -1.016,32.766 -0.762,32.512 -0.762,29.846 -0.89,29.718 -12.573,29.718 -12.7,29.845 -12.7,32.639
  region net 5V: -24.511,21.336 -24.13,21.717 -19.812,21.717 -19.558,21.463 -19.558,17.526 -19.812,17.272 -24.384,17.272 -24.511,17.399
Bottom Layer:
  region net GND_P: -118.618,35.941 -113.411,35.941 -113.03,35.56 -113.03,32.893 -113.284,32.639 -118.618,32.639
  region net 5V: -88.8,25.8 -88.8,19.15 -88.6,18.95 -86.75,18.95 -86.3,18.5 -81.95,18.5 -81.65,18.8 -81.65,19.9 -81.9,20.15 -85.55,20.15 -86.3,20.9 -86.3,25.85
  region net 5V: -104.35,18.55 -104.35,20.95 -101.9,23.4 -101.9,25.8 -100.5,27.2 -97.1,27.2 -96.8,26.9 -96.8,18.55
  region net GND_P: -105.05,20.1 -107.2,20.1 -107.2,16.85 -105.05,16.85
  region net GND_P: -89.45,22.6 -91.65,22.6 -91.65,16.25 -89.45,16.25
  region net GND_P: -67.945,16.51 -67.945,12.954 -63.5,12.954 -63.5,16.51
  region net 5V: -24.511,18.923 -19.685,18.923 -19.558,19.05 -19.558,21.463 -19.812,21.717 -24.13,21.717 -24.511,21.336

## Silkscreen, mask and mechanical layers (free items; w line width, h text height)
Top Overlay:
  lines w0.3: -43.4,25.1 -41.7,22.4 -42.2,22.5 ; -29.216,73.636 -29.216,77.15 -25.7,77.15 -25.7,73.55 -25.85,73.4 ; -29.216,91.194 -29.216,94.9 -25.7,94.9 -25.7,91.194 ; -26.9,85.85 -25.35,85.85 ; -26.7,68.2 -25.35,68.2 -25.35,60.85 -23.45,60.85 ; -25.35,64.45 -23.6,64.45 ; -25.35,81.8 -23.8,81.8 ; -25.35,85.8 -25.35,78.3 -23.8,78.3
  lines w0.5: -109.35,59.494 -107.9,59.494 ; -109.35,64.944 -107.9,64.944 ; -109.35,71.972 -107.9,71.972 ; -109.35,77.422 -107.9,77.422 ; -109.35,84.45 -107.9,84.45 ; -109.35,89.9 -107.9,89.9 ; -108.625,64.219 -108.625,65.669 ; -108.625,76.697 -108.625,78.147 ; -108.625,89.175 -108.625,90.625
  text "LED_L0" at -110.05,86.15 h2
  text "RS485" at -16.5,76.6 h2 r90
  text "CH-1" at -14.863,76.6 h2 r90
  text "0V/A/B" at -13.276,76.612 h2 r90
  text "LED_LALL" at -110.05,73.6 h2
  text "LED_LN" at -110.05,61.15 h2
  text "0V/A/B" at -13.276,59.054 h2 r90
  text "RS485" at -16.5,59.042 h2 r90
  text "CH-2" at -14.863,59.042 h2 r90
  text "GND" at -52.8,55.1 h1 r90
  text "DI" at -49.3,55.1 h1 r90
  text "CLK" at -45.8,55.1 h1 r90
  text "3V3" at -42.3,55.1 h1 r90
  text "DIN" at -119.3,51.9 h1
  text "ENCO" at -13.3,51.75 h2 r90
  text "RST" at -35.65,51 h2
  text "KPAD2" at -106.45,50.65 h2
  text "KPAD1" at -96.3,50.65 h2
  text "0V" at -13.3,47.82 h2 r90
  text "SCK" at -119.383,47.4 h1
  text "1" at -108.55,47.279 h1.2
  text "GND" at -52.801,46.018 h1 r90
  text "TX1" at -49.301,46.018 h1 r90
  text "RX1" at -45.801,46.018 h1 r90
  text "3V3" at -42.301,46.018 h1 r90
  text "RCK" at -119.383,44.839 h1
  text "2" at -108.75,44.739 h1.2
  text "12V" at -13.3,42.49 h2 r90
  text "GAT" at -119.383,42.299 h1
  text "3" at -108.75,42.199 h1.2
  text "5V" at -118.883,39.759 h1
  text "4" at -108.75,39.659 h1.2
  text "3V" at -118.883,37.219 h1
  text "0V" at -109.35,37.119 h1.2
  text "0V" at -118.883,34.679 h1
  text "5V_LED7" at -68.95,34.25 h2
  text "BT_SEL" at -13.088,32.5 h2 r90
  text "3V3_MCU" at -83.7,32.096 h2
  text "0V" at -13.2,29.05 h2 r90
  text "3V3" at -102.15,23.15 h2
  text "5V" at -33.15,22.5 h2
  text "12VDC" at -18.75,15.759 h2
  text "0V" at -15.25,10.645 h2
  text "0V" at -9.95,6.65 h2
  text "12V" at -9.6,0.9 h2
Top Solder:
  region: -57.75,40.5 -57.75,36.8 -54.25,36.8 -54.25,40.5
Mechanical 2:
  text ".Designator" at -77.37,21.871 h0.4
  text ".Designator" at -77.37,21.871 h0.4
Mechanical 10:
  lines w0.3: -11.43,71.851 -11.43,79.249

## Dimensions
-120,0 to 0,0 on Mechanical 10
-120,0 to -120,100 on Mechanical 10

## Text inside footprints (layer, text, board x,y; h text height)
D1: Mechanical 2 "K" at -5.063,22.133 h1; Mechanical 2 "A" at -13.563,22.133 h1
D2: Mechanical 2 "K" at -32.985,4.555 h1 r270; Mechanical 2 "A" at -32.985,13.055 h1 r270
D4: Mechanical 2 "A" at -65.878,13.055 h1 r270; Mechanical 2 "K" at -65.878,4.555 h1 r270
JP2: Mechanical 2 "1" at -11.914,54.429 h1 r270; Mechanical 2 "3" at -11.914,44.45 h1 r270
JP3: Mechanical 2 "1" at -44.038,50.832 h1.2 r180; Mechanical 2 "4" at -51.658,50.832 h1.2 r180
JP4: Mechanical 2 "1" at -52.166,53.086 h1.2; Mechanical 2 "4" at -44.546,53.086 h1.2
JP6: Mechanical 2 "1" at -114.4,88.459 h1 r270; Mechanical 2 "2" at -114.4,86.059 h1 r270
JP7: Mechanical 2 "1" at -114.4,75.981 h1 r270; Mechanical 2 "2" at -114.4,73.581 h1 r270
JP8: Mechanical 2 "1" at -114.4,63.503 h1 r270; Mechanical 2 "2" at -114.4,61.103 h1 r270
JP9: Mechanical 2 "1" at -11.914,89.545 h1 r270; Mechanical 2 "3" at -11.914,79.566 h1 r270
JP10: Mechanical 2 "1" at -11.914,71.987 h1 r270; Mechanical 2 "3" at -11.914,62.008 h1 r270
TP1: Mechanical 2 "1" at -11.56,1.682 h0.8 r0.05
TP2: Mechanical 2 "1" at -32.261,25.304 h0.8 r0.05
TP3: Mechanical 2 "1" at -11.56,5.873 h0.8 r0.05
TP4: Mechanical 2 "1" at -79.886,35.337 h0.8 r0.05
TP5: Mechanical 2 "1" at -65.027,32.162 h0.8 r0.05
TP6: Mechanical 2 "1" at -103.536,24.127 h0.8 r90.05
U1: Mechanical 2 "K" at -19.733,35.889 h0.8 r180; Mechanical 2 "A" at -19.733,34.095 h0.8 r180; Mechanical 2 "E" at -25.133,35.895 h0.8 r180; Mechanical 2 "C" at -25.133,33.295 h0.8 r180
U2: Mechanical 2 "K" at -19.733,50.907 h0.8 r180; Mechanical 2 "A" at -19.733,49.113 h0.8 r180; Mechanical 2 "E" at -25.133,50.913 h0.8 r180; Mechanical 2 "C" at -25.133,48.313 h0.8 r180
U3: Mechanical 2 "1" at -58.434,74.401 h0.8 r180; Mechanical 2 "16" at -64.654,74.401 h0.8 r180; Mechanical 2 "17" at -66.714,73.111 h0.8 r270; Mechanical 2 "32" at -66.714,67.321 h0.8 r270; Mechanical 2 "33" at -64.304,65.761 h0.8 r180; Mechanical 2 "48" at -58.434,65.761 h0.8 r180; Mechanical 2 "49" at -58.274,67.231 h0.8 r270; Mechanical 2 "64" at -58.274,73.011 h0.8 r270
U4: Mechanical 2 "1" at -104.16,96.51 h0.4 r270; Mechanical 2 "4" at -104.16,92.93 h0.4 r270; Mechanical 2 "5" at -99.58,92.93 h0.4 r270; Mechanical 2 "8" at -99.58,96.79 h0.4 r270
U5: Mechanical 2 "K" at -84.249,88.753 h0.8 r180; Mechanical 2 "A" at -84.249,86.959 h0.8 r180; Mechanical 2 "E" at -89.649,88.759 h0.8 r180; Mechanical 2 "C" at -89.649,86.159 h0.8 r180
U6: Mechanical 2 "K" at -84.249,76.275 h0.8 r180; Mechanical 2 "A" at -84.249,74.481 h0.8 r180; Mechanical 2 "E" at -89.649,76.281 h0.8 r180; Mechanical 2 "C" at -89.649,73.681 h0.8 r180
U7: Mechanical 2 "K" at -84.249,63.797 h0.8 r180; Mechanical 2 "A" at -84.249,62.003 h0.8 r180; Mechanical 2 "E" at -89.649,63.803 h0.8 r180; Mechanical 2 "C" at -89.649,61.203 h0.8 r180
U8: Mechanical 2 "1" at -38.537,17.32 h0.8 r180; Mechanical 2 "2" at -40.087,17.32 h0.8 r180; Mechanical 2 "3" at -41.787,17.32 h0.8 r180; Mechanical 2 "6" at -41.787,4.87 h0.8 r180; Mechanical 2 "4" at -43.487,17.32 h0.8 r180; Mechanical 2 "5" at -45.137,17.32 h0.8 r180
U9: Mechanical 2 "GND" at -88.825,4.132 h1 r180; Mechanical 2 "ADJ" at -93.889,11.819 h1 r270; Mechanical 2 "OUT" at -92.182,11.819 h1 r270; Mechanical 2 "GND" at -90.475,11.819 h1 r270; Mechanical 2 "IN" at -88.768,11.819 h1 r270; Mechanical 2 "EN" at -87.061,11.819 h1 r270
U10: Mechanical 2 "1" at -71.462,17.32 h0.8 r180; Mechanical 2 "2" at -73.012,17.32 h0.8 r180; Mechanical 2 "3" at -74.712,17.32 h0.8 r180; Mechanical 2 "6" at -74.712,4.87 h0.8 r180; Mechanical 2 "4" at -76.412,17.32 h0.8 r180; Mechanical 2 "5" at -78.062,17.32 h0.8 r180
U11: Mechanical 2 "GND" at -104.392,4.132 h1 r180; Mechanical 2 "ADJ" at -109.456,11.819 h1 r270; Mechanical 2 "OUT" at -107.75,11.819 h1 r270; Mechanical 2 "GND" at -106.043,11.819 h1 r270; Mechanical 2 "IN" at -104.336,11.819 h1 r270; Mechanical 2 "EN" at -102.629,11.819 h1 r270
U12: Mechanical 2 "4" at -40.938,84.729 h1 r270; Mechanical 2 "1" at -40.938,88.429 h1 r270; Mechanical 2 "5" at -34.738,84.729 h1 r270; Mechanical 2 "8" at -34.738,88.629 h1 r270; Mechanical 2 "4" at -39.038,84.729 h1 r270; Mechanical 2 "5" at -36.626,84.709 h1 r270; Mechanical 2 "8" at -36.626,88.569 h1 r270
U13: Mechanical 2 "8" at -20.243,88.544 h1 r270; Mechanical 2 "5" at -20.243,84.684 h1 r270; Mechanical 2 "4" at -22.655,84.704 h1 r270
U14: Mechanical 2 "C" at -34.938,80.085 h0.8; Mechanical 2 "A" at -40.338,79.285 h0.8; Mechanical 2 "K" at -40.338,77.491 h0.8; Mechanical 2 "E" at -34.938,77.485 h0.8
U15: Mechanical 2 "4" at -40.938,67.171 h1 r270; Mechanical 2 "1" at -40.938,70.871 h1 r270; Mechanical 2 "5" at -34.738,67.171 h1 r270; Mechanical 2 "8" at -34.738,71.071 h1 r270; Mechanical 2 "4" at -39.038,67.171 h1 r270; Mechanical 2 "5" at -36.626,67.151 h1 r270; Mechanical 2 "8" at -36.626,71.011 h1 r270
U16: Mechanical 2 "8" at -20.243,70.986 h1 r270; Mechanical 2 "5" at -20.243,67.126 h1 r270; Mechanical 2 "4" at -22.655,67.146 h1 r270
U17: Mechanical 2 "C" at -34.938,62.527 h0.8; Mechanical 2 "A" at -40.338,61.727 h0.8; Mechanical 2 "K" at -40.338,59.933 h0.8; Mechanical 2 "E" at -34.938,59.927 h0.8